# Altium PCB BB.PcbDoc (part 7 of 9)
Units mil, origin at the board's own origin, x right, y up, seen from the top; angles counter-clockwise.
Board outline 6860 x 3500 mil, 6 copper layers (Component Side, Ground Plane (GND), Inner Layer 1, Inner Layer 2, Power Plane (VCC), Solder Side), stack 51.068 mil thick; 496 components, 500 nets, 2194 pads, 1226 vias.
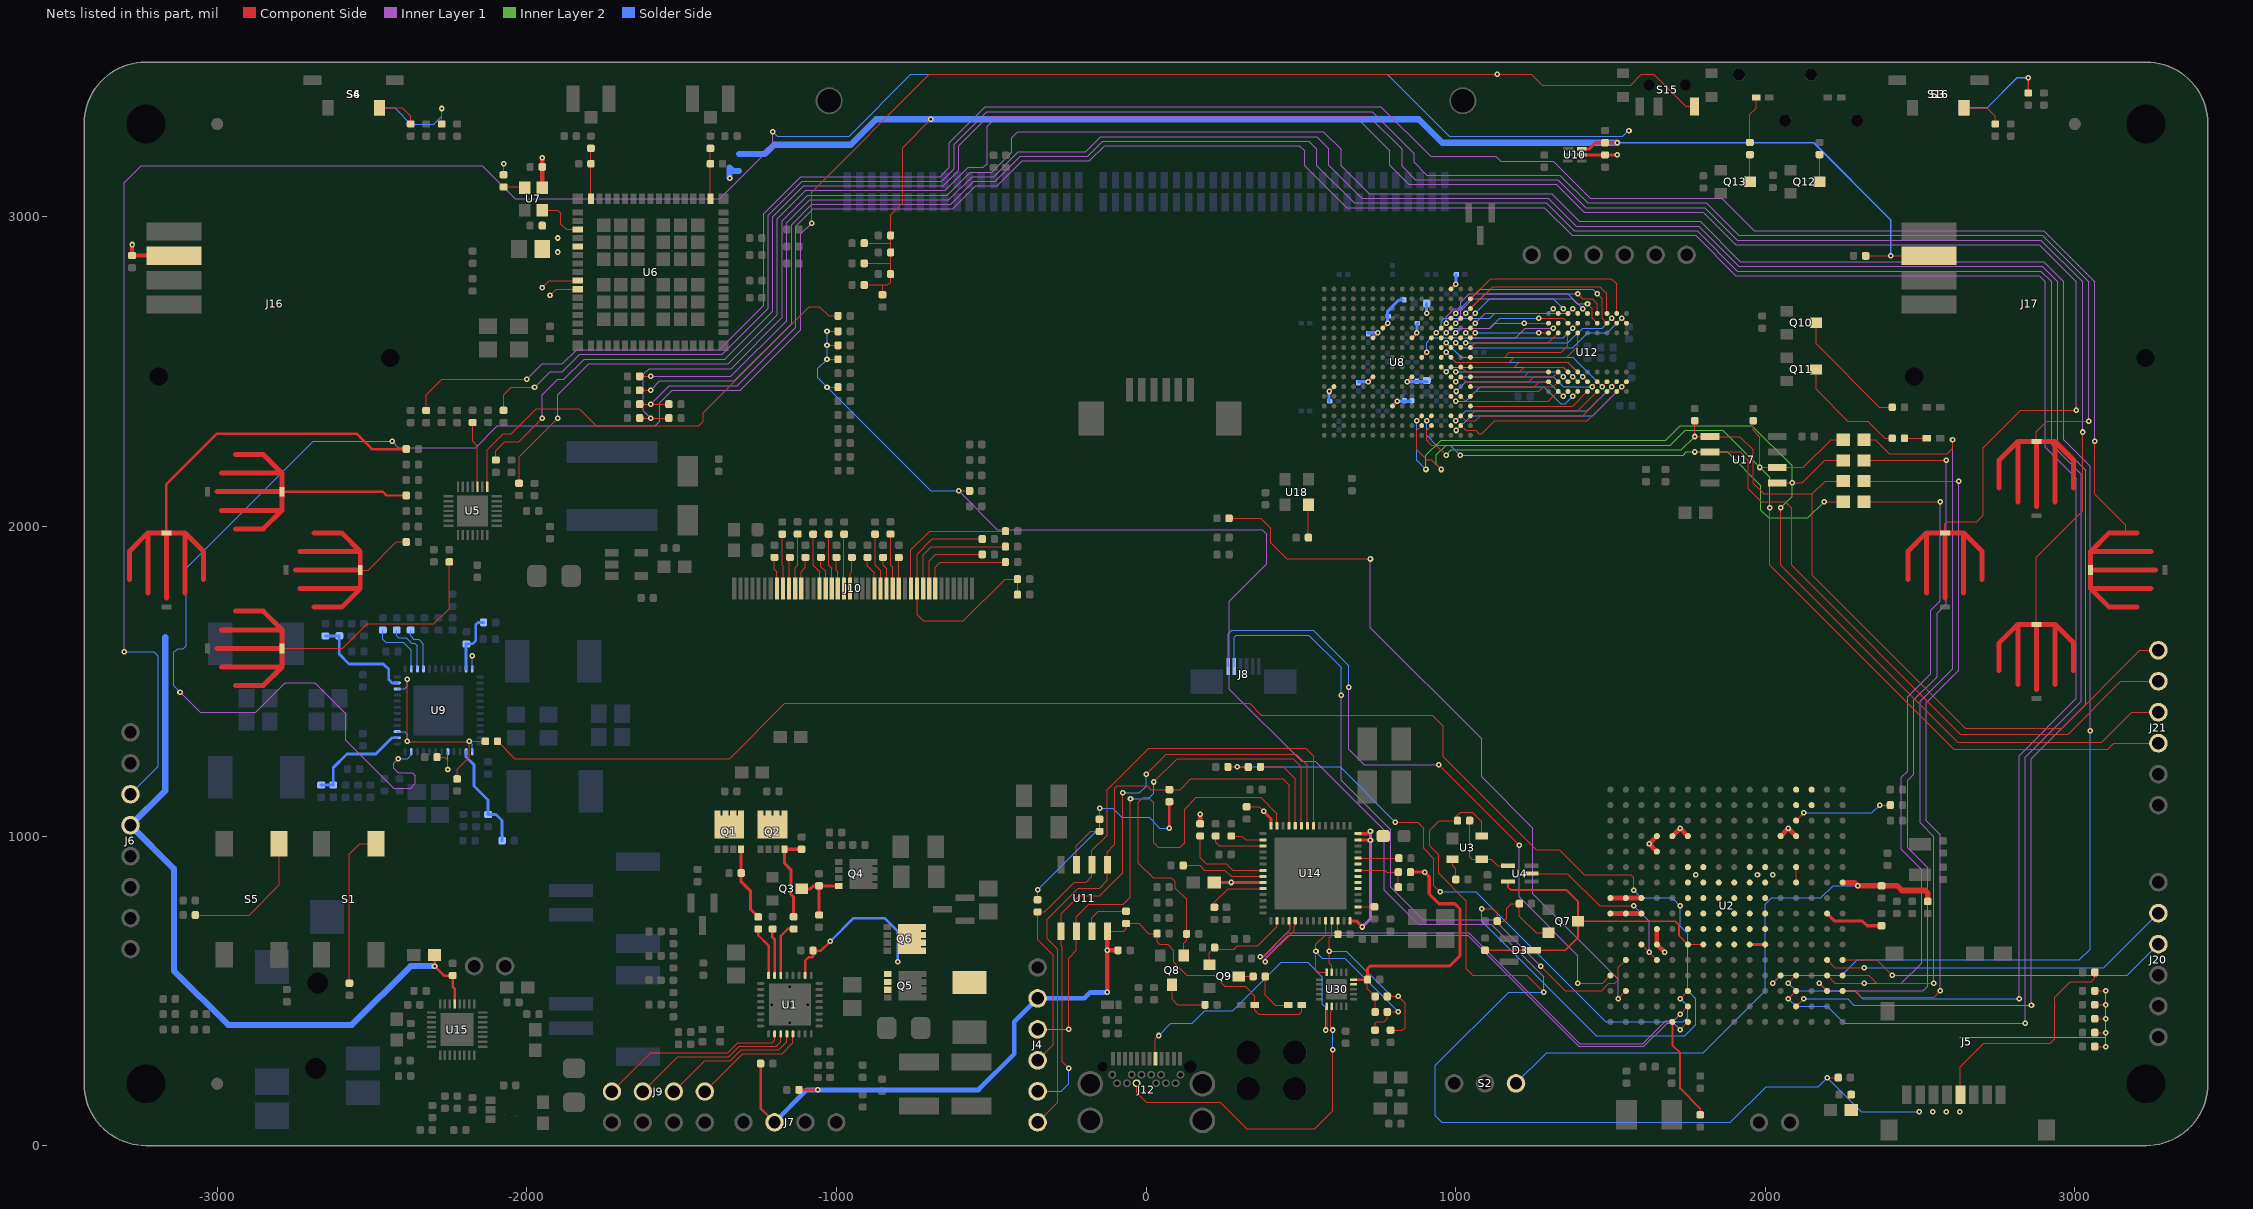
[diagram p11: the nets of this part, all layers, seen from the top]

## Via types
v1: diameter 18, hole 8, Component Side to Solder Side, tented both sides, 1183 vias
v2: diameter 19.68, hole 8, Component Side to Solder Side, tented bottom, 32 vias
v3: diameter 19.68, hole 7.87, Component Side to Solder Side, tented bottom, 4 vias
v4: diameter 19.68, hole 8, Component Side to Solder Side, tented both sides, 4 vias
v5: diameter 18, hole 8, Component Side to Solder Side, tented bottom, 3 vias

## Nets (pads, with @x,y where several pads share a name; then routed paths per layer and width w, separated by ;. In a path a pad name is that pad's centre, name@x,y a point inside that pad or via, vN(x,y) a via of type N, cw(c..) or ccw(c..) an arc to the next point about the centre after c; other vN are vias at no path point) (continued)
NetLED4_2: LED4.2 R53.1 | length 147.4
  Component Side w4: R53.1@385.37,546.6 385.37,486.63 417.92,454.08 LED4.2@459.35,454.08
NetLED5_2: LED5.2 R185.1 | length 72
  Component Side w4: R185.1@2449.68,2285 LED5.2@2521.69,2285
NetLED7_2: LED7.2 R169.1 | length 152.8
  Component Side w4: R169.1@1950.68,3240.37 1950.68,3330.68 1970.32,3350.31 LED7.2@1970.32,3385
NetQ1_4: Q1.4 R18.2 R22.1 | length 241.2
  Component Side w10: Q1.4@-1307.56,957.46 R18.2@-1307.56,880.49 -1307.56,852.56 -1278,823 -1278,764.54 R22.1@-1252.51,739.06
NetQ1_5: Q1.5 Q1.6 Q1.7 Q1.8 Q1.TAB Q2.5 Q2.6 Q2.7 Q2.8 Q2.TAB
NetQ2_4: Q2.4 R19.2 R23.1 | length 285.8
  Component Side w10: R23.1@-1138,739.37 -1138,803 -1146,811 -1146,890 -1167.8,911.8 Q2.4@-1167.8,957.46 R19.2@-1112.4,957.46
NetQ3_3: Q3.3 Q4.4 R26.2 R30.2 | length 218.2
  Component Side w10: Q3.3@-1112,829.5 -1083.5,829.5 -1073.65,839.35 R26.2@-1056,839.35 ; R30.2@-1056,745 R26.2@-1056,839.35 ; Q4.4@-992.2,839.35 R26.2@-1056,839.35
NetQ8_3: Q8.3 R153.2 | length 160.9
  Component Side w4: Q8.3@84,519.76 84,472.32 101.32,455 R153.2@190.31,455
NetQ9_3: Q9.3 R53.2 | length 46.5
  Component Side w4: Q9.3@299.49,546.6 R53.2@346,546.6
NetQ10_3: Q10.3 R172.2 | length 399.1
  Component Side w4: Q10.3@2164.24,2658 2164.24,2589.76 2369,2385 R172.2@2410.31,2385
NetQ11_3: Q11.3 R185.2 | length 375.7
  Component Side w4: Q11.3@2164.24,2507 2164.24,2442.76 2266.5,2340.5 2330.5,2340.5 2386,2285 R185.2@2410.31,2285
NetQ12_3: Q12.3 R108.2 | length 92.7
  Component Side w4: Q12.3@2175.68,3113.6 R108.2@2175.68,3201 R108.2@2175.68,3206.31
NetQ13_3: Q13.3 R169.2 | length 87.4
  Component Side w4: Q13.3@1950.68,3113.6 R169.2@1950.68,3201
NetR22_2: R22.2 U1.32 | length 163.6
  Component Side w8: R22.2@-1252.51,699.68 -1252.51,679.51 -1218.98,645.98 U1.32@-1218.98,549.98
NetR23_2: R23.2 U1.30 | length 178.4
  Component Side w8: U1.30@-1179.61,549.98 -1179.61,677.39 -1157,700 R23.2@-1138,700
NetR24_2: R24.2 U1.31 | length 153
  Component Side w8: R24.2@-1206.49,700 -1206.49,673.49 -1199.29,666.29 U1.31@-1199.29,549.98
NetR42_2: R42.2 U11.3 | length 155.3
  Component Side w4: U11.3@-224.53,907.17 -224.53,968.99 -178.56,1014.96 R42.2@-150.08,1014.96
NetR43_2: R43.2 U11.7 | length 158.6
  Component Side w4: U11.7@-175,697 -175,736.65 -154.53,757.13 R43.2@-64.53,757.13
NetR45_2: R45.2 U14.52 | length 191.3
  Component Side w4: R45.2@220.63,770 220.63,785.63 265.39,830.39 U14.52@377.72,830.39
NetR48_2: R48.2 U3.3 U4.4 | length 260.7
  Component Side w4: R48.2@1039.7,1055.43 1039.7,1044.21 1045.31,1038.6 1045.31,932.52 1052.4,925.43 U3.3@1084.68,925.43 1114.57,925.43 1135.41,904.59 U4.4@1169.2,904.59
NetR51_1: R51.1 U3.2 | length 69.8
  Component Side w4: U3.2@990.19,925.43 990.19,904.81 1000.79,894.21 R51.1@1000.79,860
NetR60_2: R60.2 U2.M16 | length 337.4
  Component Side w6: U2.M16@1700,399.82 1700,324.82 1725,299.82 1725,185 1790.18,119.82 R60.2@1790.18,99.82
NetR64_1: R64.1 U2.B9 | length 191.7
  Component Side w10: U2.B9@2200,749.82 2224.59,725.23 2314.29,725.23 2329.19,710.34 R64.1@2375.39,710.34
NetR65_2: R65.2 S6.2 | length 308.8
  Component Side w4: R65.2@-2274.69,3300 v1(-2274.69,3350)
  Solder Side w4: S6.2@-2476.38,3351.97 -2426.97,3351.97 -2374.76,3299.76 -2299.92,3299.76 -2274.69,3325 v1(-2274.69,3350)
NetR66_2: R66.2 S16.2 | length 298.1
  Component Side w5: R66.2@2849.67,3400 v1(2849.67,3449.67)
  Solder Side w5: S16.2@2641.73,3351.97 2715.97,3351.97 2813.67,3449.67 v1(2849.67,3449.67)
NetR68_2: R68.2 U5.24 | length 214.4
  Component Side w4: R68.2@-2175,2335.63 -2175,2275 -2159.25,2259.25 U5.24@-2159.25,2127.76
NetR74_2: R74.2 U7.1 | length 68.8
  Component Side w4: R74.2@-2075,3096.44 -2009.25,3096.44 U7.1@-2007.09,3094.27
NetR109_2: R109.2 S4.1 | length 137.5
  Component Side w4: S4.1@-2476.38,3351.97 -2401.97,3351.97 -2375,3325 R109.2@-2375,3300
NetR110_2: R110.2 S3.1 | length 137.5
  Component Side w4: S3.1@2641.73,3351.97 2716.14,3351.97 2743.11,3325 R110.2@2743.11,3300
NetR111_2: R111.2 S14.1 | length 406.5
  Component Side w8: S14.1@-2790.83,2112.21 -2464.96,2112.21 -2452.76,2100 R111.2@-2389.37,2100
NetR112_2: R112.2 S10.1 | length 743.8
  Component Side w4: S10.1@-2790,1606.3 -2593.7,1606.3 -2515,1685 -2300,1685 -2250.32,1734.68 R112.2@-2250.32,1885.63
NetR113_2: R113.2 S12.1 | length 1020.1
  Component Side w8: S12.1@-3163.78,1979.25 -3163.78,2136.54 -3000.32,2300 -2550,2300 -2500,2250 R113.2@-2389.37,2250
NetR114_2: R114.2 S13.1 | length 183.2
  Component Side w4: S13.1@-2535,1859.25 -2511.75,1859.25 -2421,1950 R114.2@-2389.37,1950
NetR116_1: R116.1 U14.12 | length 43.3
  Component Side w4: R116.1@619.84,682.76 U14.12@619.84,726.06
NetR118_2: R118.2 S11.1 | length 7131.2
  Component Side w4: R118.2@-2325,2374.69 -2325,2424.69 -2274.69,2475 v1(-2000,2475) ; v1(3065,2275) 3065,2104 3165,2004 3165,1979.25
  Inner Layer 1 w4: v1(-2000,2475) -1950,2525 -1885,2525 -1839,2571 -1379,2571 -1235,2715 -1235,3010 -1115,3130 -665,3130 -635,3160 -635,3240 -520,3355 759,3355 919,3195 1130,3195 1146,3179 1316,3179 1435,3060 1860,3060 1965,2955 2900,2955 3065,2790 v1(3065,2275)
NetR119_2: R119.2 S9.1 | length 7295
  Component Side w4: R119.2@-2100,2213.23 -2100,2244.69 -2070.69,2274 -2026,2274 v1(-1950,2350) ; S9.1@2875.79,1683.98 2875.79,1900.79 3025,2050 v1(3025,2305)
  Inner Layer 1 w4: v1(-1950,2350) -1950,2425 -1900,2475 -1880,2475 -1815,2540 -1360,2540 -1205,2695 -1205,3000 -1105,3100 -655,3100 -605,3150 -605,3230 -510,3325 720,3325 827,3218 827,3163 870,3120 1330,3120 1420,3030 1805,3030 1910,2925 2890,2925 3025,2790 v1(3025,2305)
NetR120_1: R120.1 U14.16 | length 53.1
  Component Side w4: U14.16@684.8,771.34 R120.1@737.95,771.34
NetR121_2: R121.2 S7.1 | length 6680.4
  Component Side w4: R121.2@-2075.06,2375 -2075.06,2424.8 -2049.86,2450 v1(-1975,2450) ; S7.1@2875.79,2274.53 2875.79,2305.79 2910,2340 v1(3045,2340)
  Inner Layer 1 w4: v1(-1975,2450) -1925,2500 -1885,2500 -1829,2556 -1369,2556 -1220,2705 -1220,3005 -1110,3115 -660,3115 -620,3155 -620,3235 -515,3340 730,3340 866,3204 866,3176 907,3135 1337,3135 1427,3045 1810,3045 1915,2940 2895,2940 3045,2790 v1(3045,2340)
NetR122_2: R122.2 S8.1 | length 7252.5
  Component Side w4: R122.2@-2025.06,2139.37 -2025.06,2224.94 v1(-1900,2350) ; S8.1@2580.51,1979.25 2580.51,2009.51 2585.8,2014.8 2683.28,2014.8 2705,2036.53 2705,2255 2825,2375 v1(3005,2375)
  Inner Layer 1 w4: v1(-1900,2350) -1900,2425 -1800,2525 -1350,2525 -1190.43,2684.57 -1190.43,2993.97 -1098.97,3085.43 -648.97,3085.43 -574.4,3160 -525,3160 -513,3172 -513,3292 -495,3310 690,3310 787,3213 787,3166.21 848.21,3105 1325,3105 1415,3015 1800,3015 1905,2910 2885,2910 3005,2790 v1(3005,2375)
NetR136_2: R136.2 U14.38 | length 279.8
  Component Side w4: R136.2@369.96,1223.27 443.78,1223.27 482.05,1185 U14.38@482.05,1033.15
NetR147_2: R147.2 U14.49 | length 289.7
  Component Side w4: R147.2@175,1000.21 175,930.1 195.1,910 260,910 280.55,889.45 U14.49@377.72,889.45
NetR148_2: R148.2 U14.50 | length 272.4
  Component Side w4: R148.2@120,905.1 174.04,905.1 188.8,890.34 254.67,890.34 275.24,869.76 U14.50@377.72,869.76
NetR149_2: R149.2 U14.45 | length 177.8
  Component Side w4: R149.2@225,1000.21 225,980 236.81,968.19 U14.45@377.72,968.19
NetR155_1: R155.1 R164.1 U14.22 | length 181.2
  Component Side w4: U14.22@684.8,889.45 771.42,889.45 777.32,883.54 R155.1@815,883.54 R164.1@815,835
NetR156_2: R156.2 U14.44 | length 107.5
  Component Side w4: R156.2@275.35,1000.21 309.35,1000.21 321.69,987.87 U14.44@377.72,987.87
NetR165_2: R165.2 R166.1 U9.47 | length 196.8
  Solder Side w9: U9.47@-2195.94,1540 -2195.94,1621.46 -2174.21,1621.46 -2164.53,1631.14 -2164.53,1683.47 -2158,1690 R165.2@-2139.69,1690
NetR171_2: R171.2 R184.1 U9.14 | length 350.3
  Solder Side w9: U9.14@-2195.94,1272.28 -2195.94,1255.94 -2170.48,1230.48 -2170.48,1161.48 -2125,1116 R184.1@-2125,1069.68 -2099.68,1069.68 -2079.69,1049.69 R171.2@-2079.69,985
NetR187_2: R187.2 R188.1 U9.26 | length 341.5
  Solder Side w9: R187.2@-2664.21,1165 R188.1@-2625,1165 -2625,1220.53 -2580.53,1265 -2487.67,1265 -2435.11,1317.56 U9.26@-2418.39,1317.56
NetR191_2: R191.2 R192.1 U9.35 | length 349.1
  Solder Side w9: R191.2@-2650.53,1646.46 -2605.53,1646.46 -2605.53,1587.14 -2574.53,1556.14 -2463.53,1556.14 -2445.53,1538.14 -2445.53,1505.14 -2435.11,1494.72 U9.35@-2418.39,1494.72
NetR193_1: R193.1 T1.1 U9.17 | length 126.4
  Component Side w4: R193.1@-2290,1255 -2265,1255 -2255,1245 T1.1@-2255,1215
  Solder Side w4: T1.1@-2255,1215 U9.17@-2255,1272.28
NetR194_1: R194.1 U9.40 | length 151.2
  Solder Side w4: R194.1@-2375,1665.31 -2375,1646.61 -2364.53,1636.14 -2349.53,1636.14 -2333.74,1620.35 U9.40@-2333.74,1540
NetR195_2: R195.2 U9.39 | length 173.4
  Solder Side w4: R195.2@-2420,1665.31 -2420,1646.61 -2414.53,1641.14 -2389.53,1641.14 -2371.75,1623.37 -2361.75,1623.37 -2353.43,1615.04 U9.39@-2353.43,1540
NetR196_2: R196.2 U9.38 | length 196.2
  Solder Side w4: R196.2@-2465,1665.31 -2465,1635.61 -2455.53,1626.14 -2399.53,1626.14 -2373.11,1599.72 U9.38@-2373.11,1540
NetR197_2: R197.2 U18.1 | length 106.4
  Component Side w4: U18.1@524.41,2069.88 R197.2@524.41,1963.86 R197.2@524.68,1963.58
NetT3_1: T3.1 U9.48 | length 42.1
  Solder Side w4: U9.48@-2176.26,1540 T3.1@-2176.26,1582.14
NetT11_1: T11.1 U2.N10 U2.N11 | length 85.4
  Component Side w15: U2.N10@1650,699.82 U2.N11@1650,649.82 T11.1@1675,624.82
NetT13_1: T13.1 U2.N4 U2.N5 | length 70.7
  Component Side w15: U2.N5@1650,949.82 T13.1@1625,974.82 U2.N4@1650,999.82
NetT14_1: T14.1 U2.L4 U2.M4 | length 70.7
  Component Side w15: U2.M4@1700,999.82 T14.1@1725,1024.82 U2.L4@1750,999.82
NetT15_1: T15.1 U2.D4 U2.E4 | length 70.7
  Component Side w15: U2.E4@2050,999.82 T15.1@2075,1024.82 U2.D4@2100,999.82
NetT17_1: T17.1 U6.43 | length 98
  Component Side w4: T17.1@-1925,2746.44 -1905.12,2766.32 U6.43@-1835.24,2766.32
NetT18_1: T18.1 U6.42 | length 124.1
  Component Side w4: T18.1@-1950,2771.44 -1927.56,2793.88 U6.42@-1835.24,2793.88
NetU2_D6: U2.D6 U2.D7 | length 50
  Component Side w4: U2.D7@2100,849.82 U2.D6@2100,899.82
NetU2_N12: U2.N12 U2.P11 U4.2 | length 614.3
  Component Side w4: U4.2@1245.2,879 1361.33,879 1465.46,774.87 v1(1575,774.87) ; U2.P11@1600.28,649.82 v1(1625.28,624.82) U2.N12@1650.14,599.96
  Inner Layer 1 w4: v1(1575,774.87) 1625.28,724.59 v1(1625.28,624.82)
NetU2_P8: U2.P8 U2.R8 U2.T8 | length 100
  Component Side w15: U2.T8@1500,799.82 U2.P8@1600,799.82
NetU2_P9: U2.P9 U2.R9 U2.T9 | length 100
  Component Side w15: U2.T9@1500,749.82 U2.P9@1600,749.82
NetU6_36: U6.36 U7.3 | length 161
  Component Side w4: U7.3@-1950,3021.44 -1900,3021.44 -1890,3011.44 -1890,2976.44 -1872.8,2959.23 U6.36@-1835.24,2959.23
PH: C25.1 L1.2 Q5.1 Q5.2 Q5.3 Q6.5 Q6.6 Q6.7 Q6.8 Q6.TAB U1.26 | length 530.5
  Component Side w8: U1.26@-1100.87,549.98 -1100.87,597.13 -1090,608 -1078,608 -1075,611 -1075,630.32 -1049.68,630.32 v1(-1020,660)
  Solder Side w8: v1(-1020,660) -945,735 -844,735 -802.2,693.2 v1(-802.2,594.21)
PLL0_GND: C166.1 C167.1 U8.N8 | length 63
  Component Side w10: U8.N8@796.06,2388.78 v1(811.81,2404.53)
  Solder Side w10: v1(811.81,2404.53) C166.1@852.52,2404.53
PLL1_GND: C168.1 C169.1 U8.E7 | length 123.1
  Component Side w10: U8.E7@764.57,2640.75 v1(780.31,2656.5)
  Solder Side w10: v1(780.31,2656.5) 780.31,2695.05 816.56,2731.3 C169.1@827.56,2731.3
PROC_EN: R40.2 R135.2 U9.13 U9.27 U9.34 | length 745.1
  Component Side w4: v1@-2386,1505 -2386,1305 v1@-2186,1305 ; R135.2@-2224.17,1184.65 -2224.17,1215.83 -2185.53,1254.47 v1(-2185.53,1306.14) R40.2@-2133.86,1306.14
  Solder Side w4: U9.27@-2418.39,1337.24 -2393.8,1337.24 -2385.53,1328.98 v1(-2385.53,1306.14) ; U9.34@-2418.39,1475.04 -2393.8,1475.04 -2385.53,1483.31 v1(-2385.53,1506.14) ; v1(-2185.53,1306.14) -2176.26,1296.87 U9.13@-2176.26,1272.28
PWR_ON: S15.1 U9.23 | length 7553.6
  Component Side w4: v1(-1080,2980) -1080,3080 -700,3460 v1(1135,3460) 1245,3460 1280,3425 1565,3425 1600,3460 1640,3460 1743.3,3356.7 S15.1@1771.65,3356.7
  Inner Layer 1 w4: v1(-3120,1465) -3055,1400 -2875,1400 -2780,1495 -2685,1495 -2585,1395 -2585,1310 -2430,1155 -2375,1155 -2360,1170 -2360,1195 -2370,1205 -2415.32,1205 -2430,1219.69 -2430,1235 v1(-2415,1250) ; v1(-2435,2275) -2415,2255 -2165,2255 -2095,2325 -1584.69,2325 -1570,2339.69 -1570,2400 -1530,2440 -1310,2440 -1115,2635 -1115,2945 v1(-1080,2980)
  Solder Side w4: v1(-3120,1465) -3140,1485 -3140,1593 -3128,1605 -3110,1605 -3100,1615 -3100,1865 -2690,2275 v1(-2435,2275) ; v1(-2415,1250) -2385,1250 -2373.11,1261.89 U9.23@-2373.11,1272.28
R_DISPLAY_ON: J10.31 R104.2 R105.1 R123.2 | length 865.4
  Component Side w4: R123.2@-528.98,1959.8 -690.2,1959.8 -739.37,1910.63 J10.31@-739.37,1800 -739.37,1714.17 -720.2,1695 -590,1695 -455,1830 R104.2@-415,1830 R105.1@-415,1780
R_LCD_AC_BIAS_EN: J10.34 R177.2 | length 301.9
  Component Side w4: J10.34@-680.32,1800 -680.32,1868.86 -664.17,1885 R177.2@-453.98,1885
R_LCD_DATA0: J10.8 R93.2 | length 103.3
  Component Side w4: R93.2@-1200,1900 -1200,1861.34 -1192.13,1853.46 J10.8@-1192.13,1800
R_LCD_DATA1: J10.9 R94.2 | length 176.1
  Component Side w4: R94.2@-1175,1975 -1175,1875 -1172.44,1872.44 J10.9@-1172.44,1800
R_LCD_DATA2: J10.10 R128.2 | length 101.1
  Component Side w4: J10.10@-1152.76,1800 -1152.76,1897.24 R128.2@-1150,1900
R_LCD_DATA3: J10.11 R141.2 | length 178.8
  Component Side w4: J10.11@-1133.07,1800 -1133.07,1866.93 -1125,1875 R141.2@-1125,1975.43
R_LCD_DATA4: J10.12 R142.2 | length 105.5
  Component Side w4: J10.12@-1113.39,1800 -1113.39,1854.41 -1100,1867.8 R142.2@-1100,1900
R_LCD_DATA5: J10.15 R143.2 | length 183.6
  Component Side w4: R143.2@-1075,1975 -1075,1875 -1054.33,1854.33 J10.15@-1054.33,1800
R_LCD_DATA6: J10.16 R144.2 | length 106.4
  Component Side w4: R144.2@-1050,1900 -1050,1870 -1034.65,1854.65 J10.16@-1034.65,1800
R_LCD_DATA7: J10.17 R145.2 | length 179.2
  Component Side w4: R145.2@-1025,1975 -1025,1875.1 -1014.96,1865.06 J10.17@-1014.96,1800
R_LCD_DATA8: J10.18 R146.2 | length 102
  Component Side w4: R146.2@-1000,1900 -1000,1859.25 -995.28,1854.53 J10.18@-995.28,1800
R_LCD_DATA9: J10.19 R151.2 | length 175.3
  Component Side w4: J10.19@-975.59,1800 -975.59,1974.33 R151.2@-974.92,1975
R_LCD_DATA10: J10.20 R152.2 | length 102.4
  Component Side w4: J10.20@-955.91,1800 -955.91,1849.09 -950.35,1854.65 -950.35,1899.65 R152.2@-950,1900
R_LCD_DATA11: J10.24 R163.2 | length 109.3
  Component Side w4: R163.2@-899.55,1900 -899.55,1872.44 -877.17,1850.05 J10.24@-877.17,1800
R_LCD_DATA12: J10.25 R173.2 | length 182.3
  Component Side w4: R173.2@-875,1975 -875,1875.1 -857.48,1857.58 J10.25@-857.48,1800
R_LCD_DATA13: J10.26 R174.2 | length 104.7
  Component Side w4: R174.2@-849.17,1900 -849.17,1874.17 -837.8,1862.8 J10.26@-837.8,1800
R_LCD_DATA14: J10.27 R175.2 | length 178.3
  Component Side w4: R175.2@-825,1975.43 -825,1874.17 -818.11,1867.28 J10.27@-818.11,1800
R_LCD_DATA15: J10.28 R176.2 | length 100
  Component Side w4: J10.28@-798.43,1800 R176.2@-798.43,1900
R_LCD_HSYNC: J10.32 R179.2 | length 385
  Component Side w4: J10.32@-719.69,1800 -719.69,1908.31 -693.13,1934.87 R179.2@-453.98,1934.87
R_LCD_PCLK: J10.30 R180.2 | length 454.8
  Component Side w4: J10.30@-759.06,1800 -759.06,1924.94 -699.26,1984.74 R180.2@-453.98,1984.67
R_LCD_VSYNC: J10.33 R178.2 | length 268.7
  Component Side w4: J10.33@-700,1800 -700,1889 -679.07,1909.93 R178.2@-528.98,1909.86
RF_ANT1: C43.2 L2.2 U6.32 | length 162.8
  Component Side w4: U6.32@-1792.91,3058.64 L2.2@-1792.91,3171.44 C43.2@-1792.91,3221.44
RF_ANT2: C44.2 L5.2 U6.18 | length 162.8
  Component Side w4: U6.18@-1407.09,3058.64 L5.2@-1407.09,3171.44 C44.2@-1407.09,3221.44
S_SBU_N: R158.2 R162.1 U14.11 U30.14 | length 649
  Component Side w4: U30.14@599.57,560.12 599.57,581.77 592.28,589.06 v1(592.28,627.64) 592.28,670.94 599.55,678.21 599.55,725.45 U14.11@600.16,726.06 ; R158.2@779.37,482 v1(815,482) 835,462 835,380 828.19,373.19 R162.1@790,373.19
  Solder Side w4: v1(592.28,627.64) 647.36,627.64 793,482 v1(815,482)
S_SBU_P: R157.2 R161.1 U14.10 U30.15 | length 682.2
  Component Side w4: U14.10@580.47,726.06 580.47,681.47 548.98,649.98 v1(548.98,627.64) 548.98,568.58 557.44,560.12 U30.15@583.82,560.12 ; R161.1@740,373.19 740,395.04 744.96,400 770,400 779.37,409.37 R157.2@779.37,432 v1(815,432)
  Solder Side w4: v1(548.98,627.64) 548.98,626.12 569.78,605.32 641.68,605.32 v1(815,432)
SBU_N: J12.B8 U30.2 | length 1076.8
  Component Side w4: J12.B8@-30.39,201.65 -30.39,170.68 0.29,140 239.94,140 324.94,55 545,55 603.19,113.19 v1(603.19,310) ; U30.2@599.57,449.88 599.57,435.57 597.19,433.2 597.19,379.5 v1(603.19,373.5)
  Solder Side w4: v1(603.19,310) v1(603.19,373.5) v1@603.19,373.6
SBU_P: J12.A8 U30.1 | length 981
  Component Side w4: J12.A8@30.63,280.79 30.63,345.47 v1(40.94,355.79) ; v1(580.19,373.5) 586.19,379.5 586.19,433.2 583.82,435.57 U30.1@583.82,449.88
  Solder Side w4: v1(40.94,355.79) 80.16,395 150,395 190,435 279.96,435 436.96,592 522.78,592 570,544.78 570,456.69 580.19,446.5 v1@580.19,373.6
SDRAM_ADDR0: U8.K15 U12.H7 | length 334.5
  Component Side w4: U8.K15@1016.54,2483.27 1032.28,2467.52 1237.01,2467.52 1252.76,2483.27 1315.75,2483.27 U12.H7@1331.5,2499.02
SDRAM_ADDR1: U8.M16 U12.H8 | length 303
  Component Side w4: U8.M16@1048.03,2420.28 1063.78,2436.02 1268.5,2436.02 1284.25,2451.77 1315.75,2451.77 U12.H8@1331.5,2467.52
SDRAM_ADDR2: U8.L16 U12.J8 | length 258.5
  Component Side w4: U8.L16@1048.03,2451.77 1254.53,2451.77 1270.28,2467.52 U12.J8@1300,2467.52
SDRAM_ADDR3: U8.K16 U12.J7 | length 258.5
  Component Side w4: U8.K16@1048.03,2483.27 1221.26,2483.27 1237.01,2499.02 U12.J7@1300,2499.02
SDRAM_ADDR4: U8.F16 U12.J3 | length 258.5
  Component Side w4: U8.F16@1048.03,2609.25 v1(1063.78,2625) ; v1(1268.5,2625) U12.J3@1300,2625
  Solder Side w4: v1(1063.78,2625) v1(1268.5,2625)
SDRAM_ADDR5: U8.F14 U12.J2 | length 334.5
  Component Side w4: U8.F14@985.04,2609.25 v1(1000.79,2625) ; v1(1221.26,2656.5) U12.J2@1300,2656.5
  Inner Layer 1 w4: v1(1000.79,2625) 1016.54,2640.75 1111.02,2640.75 1126.77,2656.5 v1(1221.26,2656.5)
SDRAM_ADDR6: U8.G16 U12.H3 | length 303
  Component Side w4: U8.G16@1048.03,2577.76 1063.78,2593.5 1158.27,2593.5 1300,2593.5 U12.H3@1331.5,2625
SDRAM_ADDR7: U8.F15 U12.H2 | length 347
  Component Side w4: U8.F15@1016.54,2609.25 v1(1032.28,2625) ; v1(1315.75,2640.75) U12.H2@1331.5,2656.5
  Inner Layer 1 w4: v1(1032.28,2625) 1047.28,2610 1194.4,2610 1225.15,2640.75 v1(1315.75,2640.75)
SDRAM_ADDR8: U8.F12 U12.H1 | length 467.5
  Component Side w4: U8.F12@922.05,2609.25 v1(937.8,2625) ; v1(1315.75,2703.74) U12.H1@1331.5,2687.99
  Solder Side w4: v1(937.8,2625) 953.54,2640.75 953.54,2661.96 963.83,2672.24 1111.02,2672.24 1126.77,2687.99 1300,2687.99 v1(1315.75,2703.74)
SDRAM_ADDR9: U8.H16 U12.G3 | length 372.1
  Component Side w4: U8.H16@1048.03,2546.26 1158.27,2546.26 1174.02,2562.01 1341.85,2562.01 1362.99,2583.15 U12.G3@1362.99,2625
SDRAM_ADDR10: U8.M15 U12.H9 | length 334.5
  Component Side w4: U8.M15@1016.54,2420.28 1032.28,2404.53 1300,2404.53 U12.H9@1331.5,2436.02
SDRAM_ADDR11: U8.F13 U12.G2 | length 442.1
  Component Side w4: U8.F13@953.54,2609.25 v1(969.29,2625) ; v1(1268.5,2672.24) 1347.24,2672.24 U12.G2@1362.99,2656.5